# KiCad board Wireless Video Glass.kicad_pcb
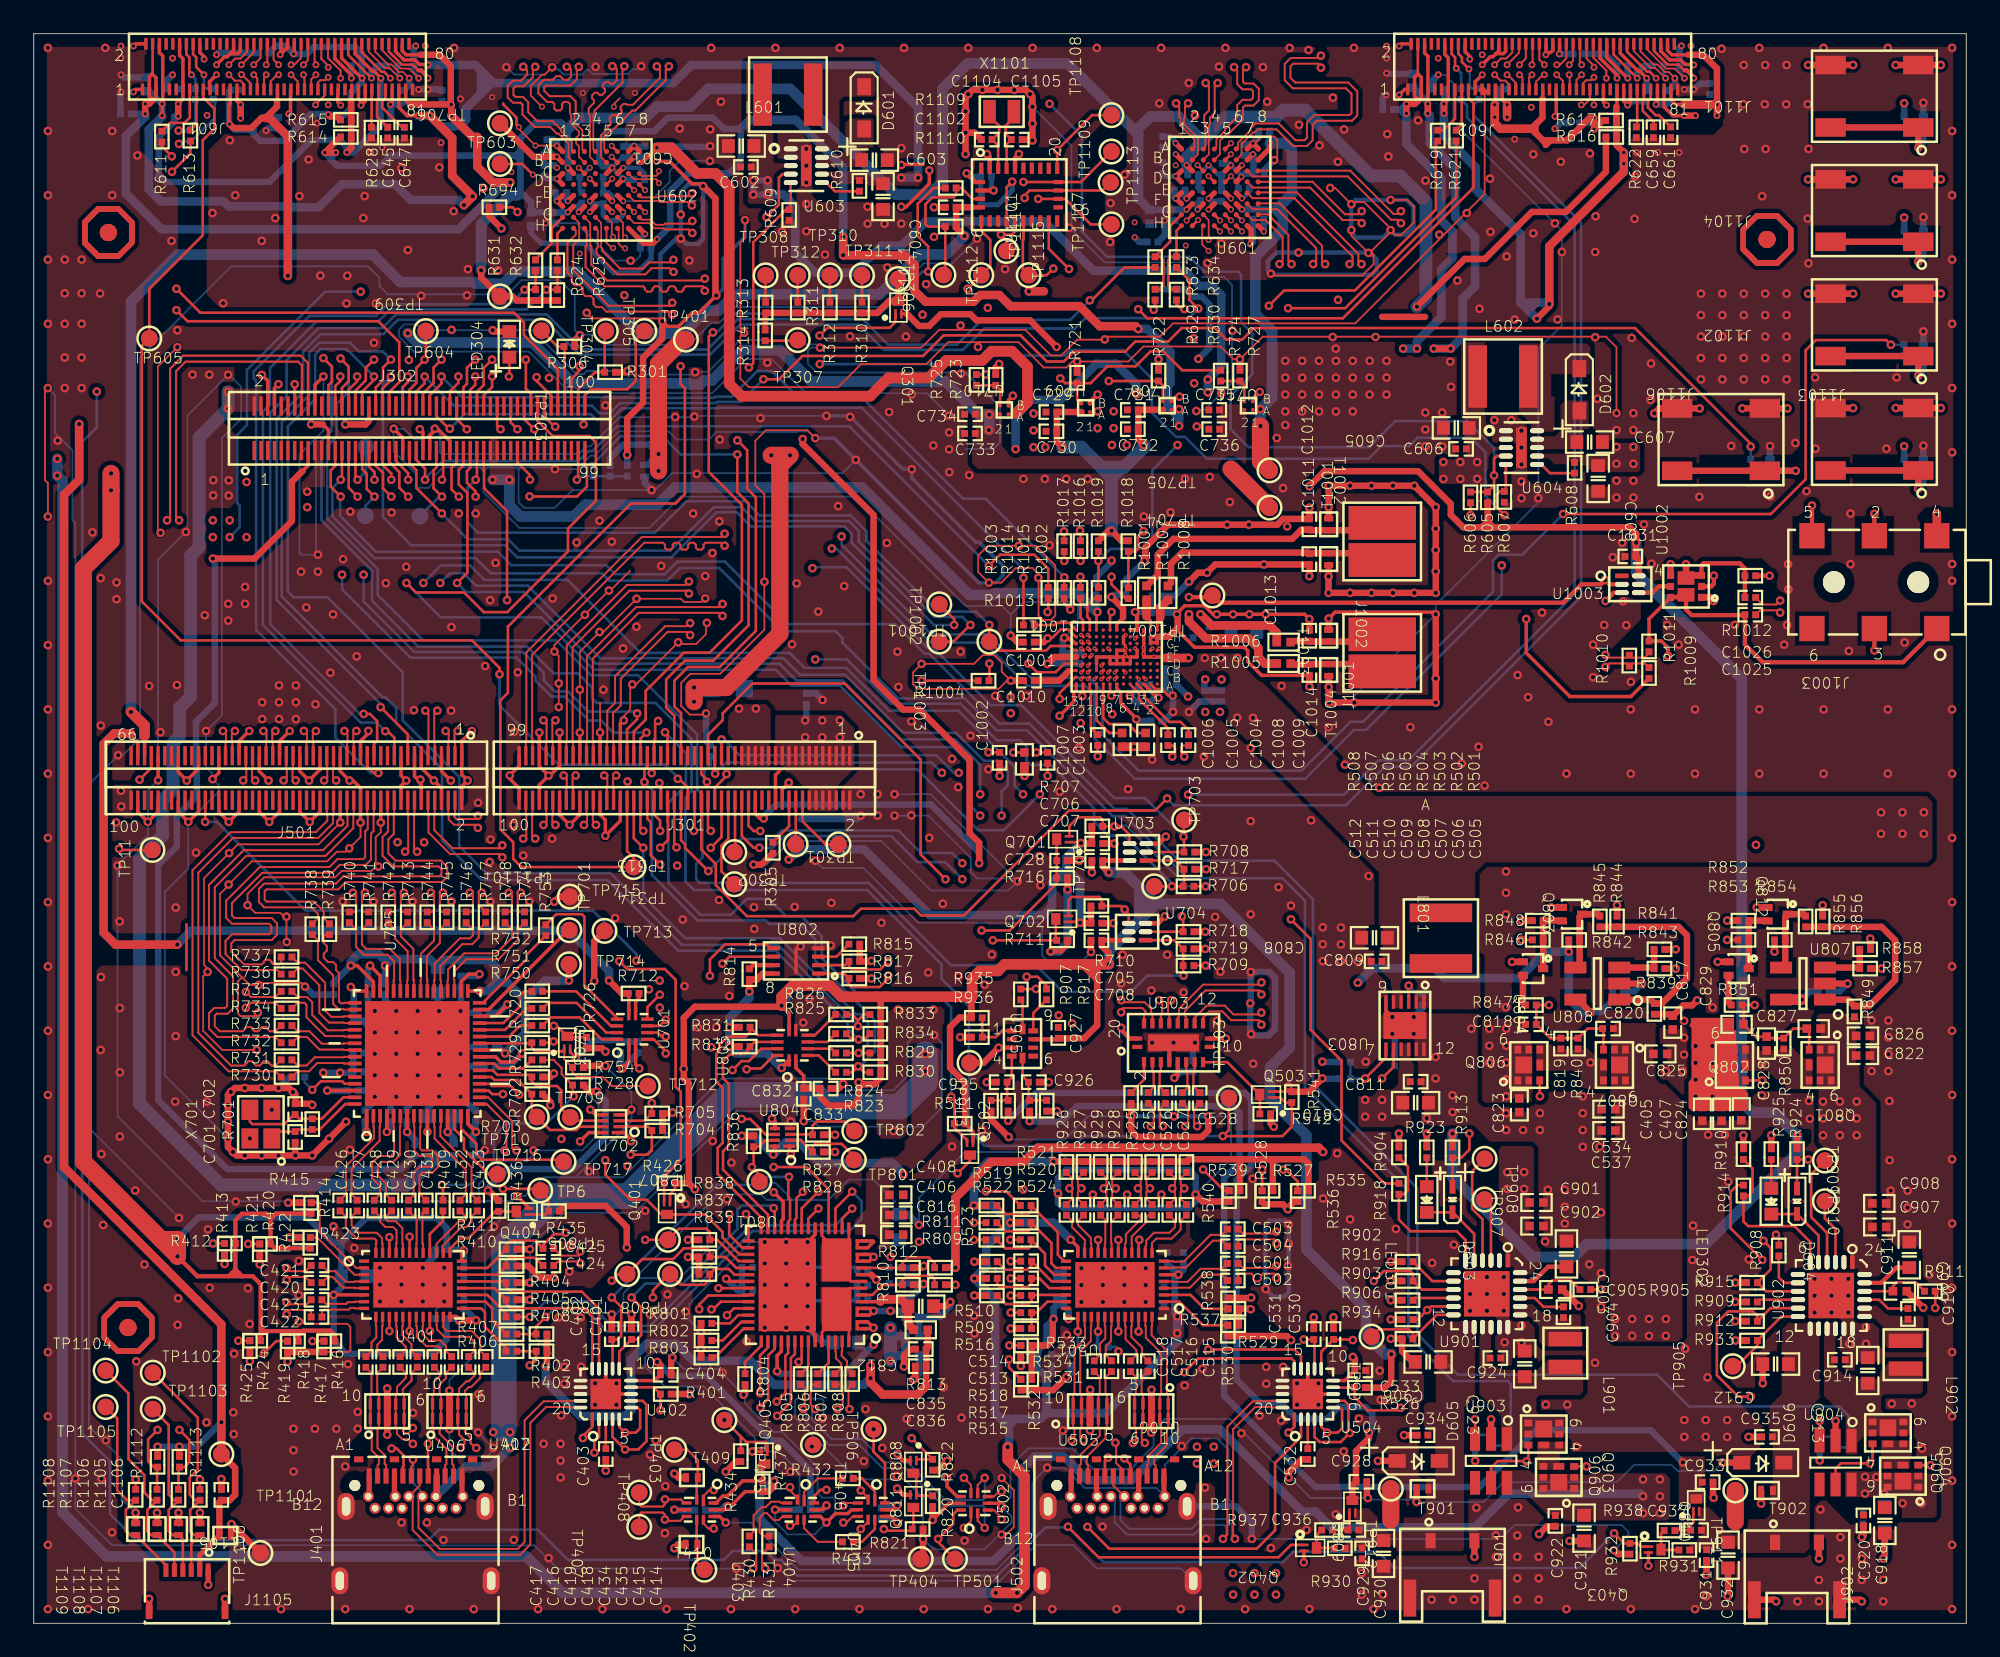
[diagram p0: board, top side]
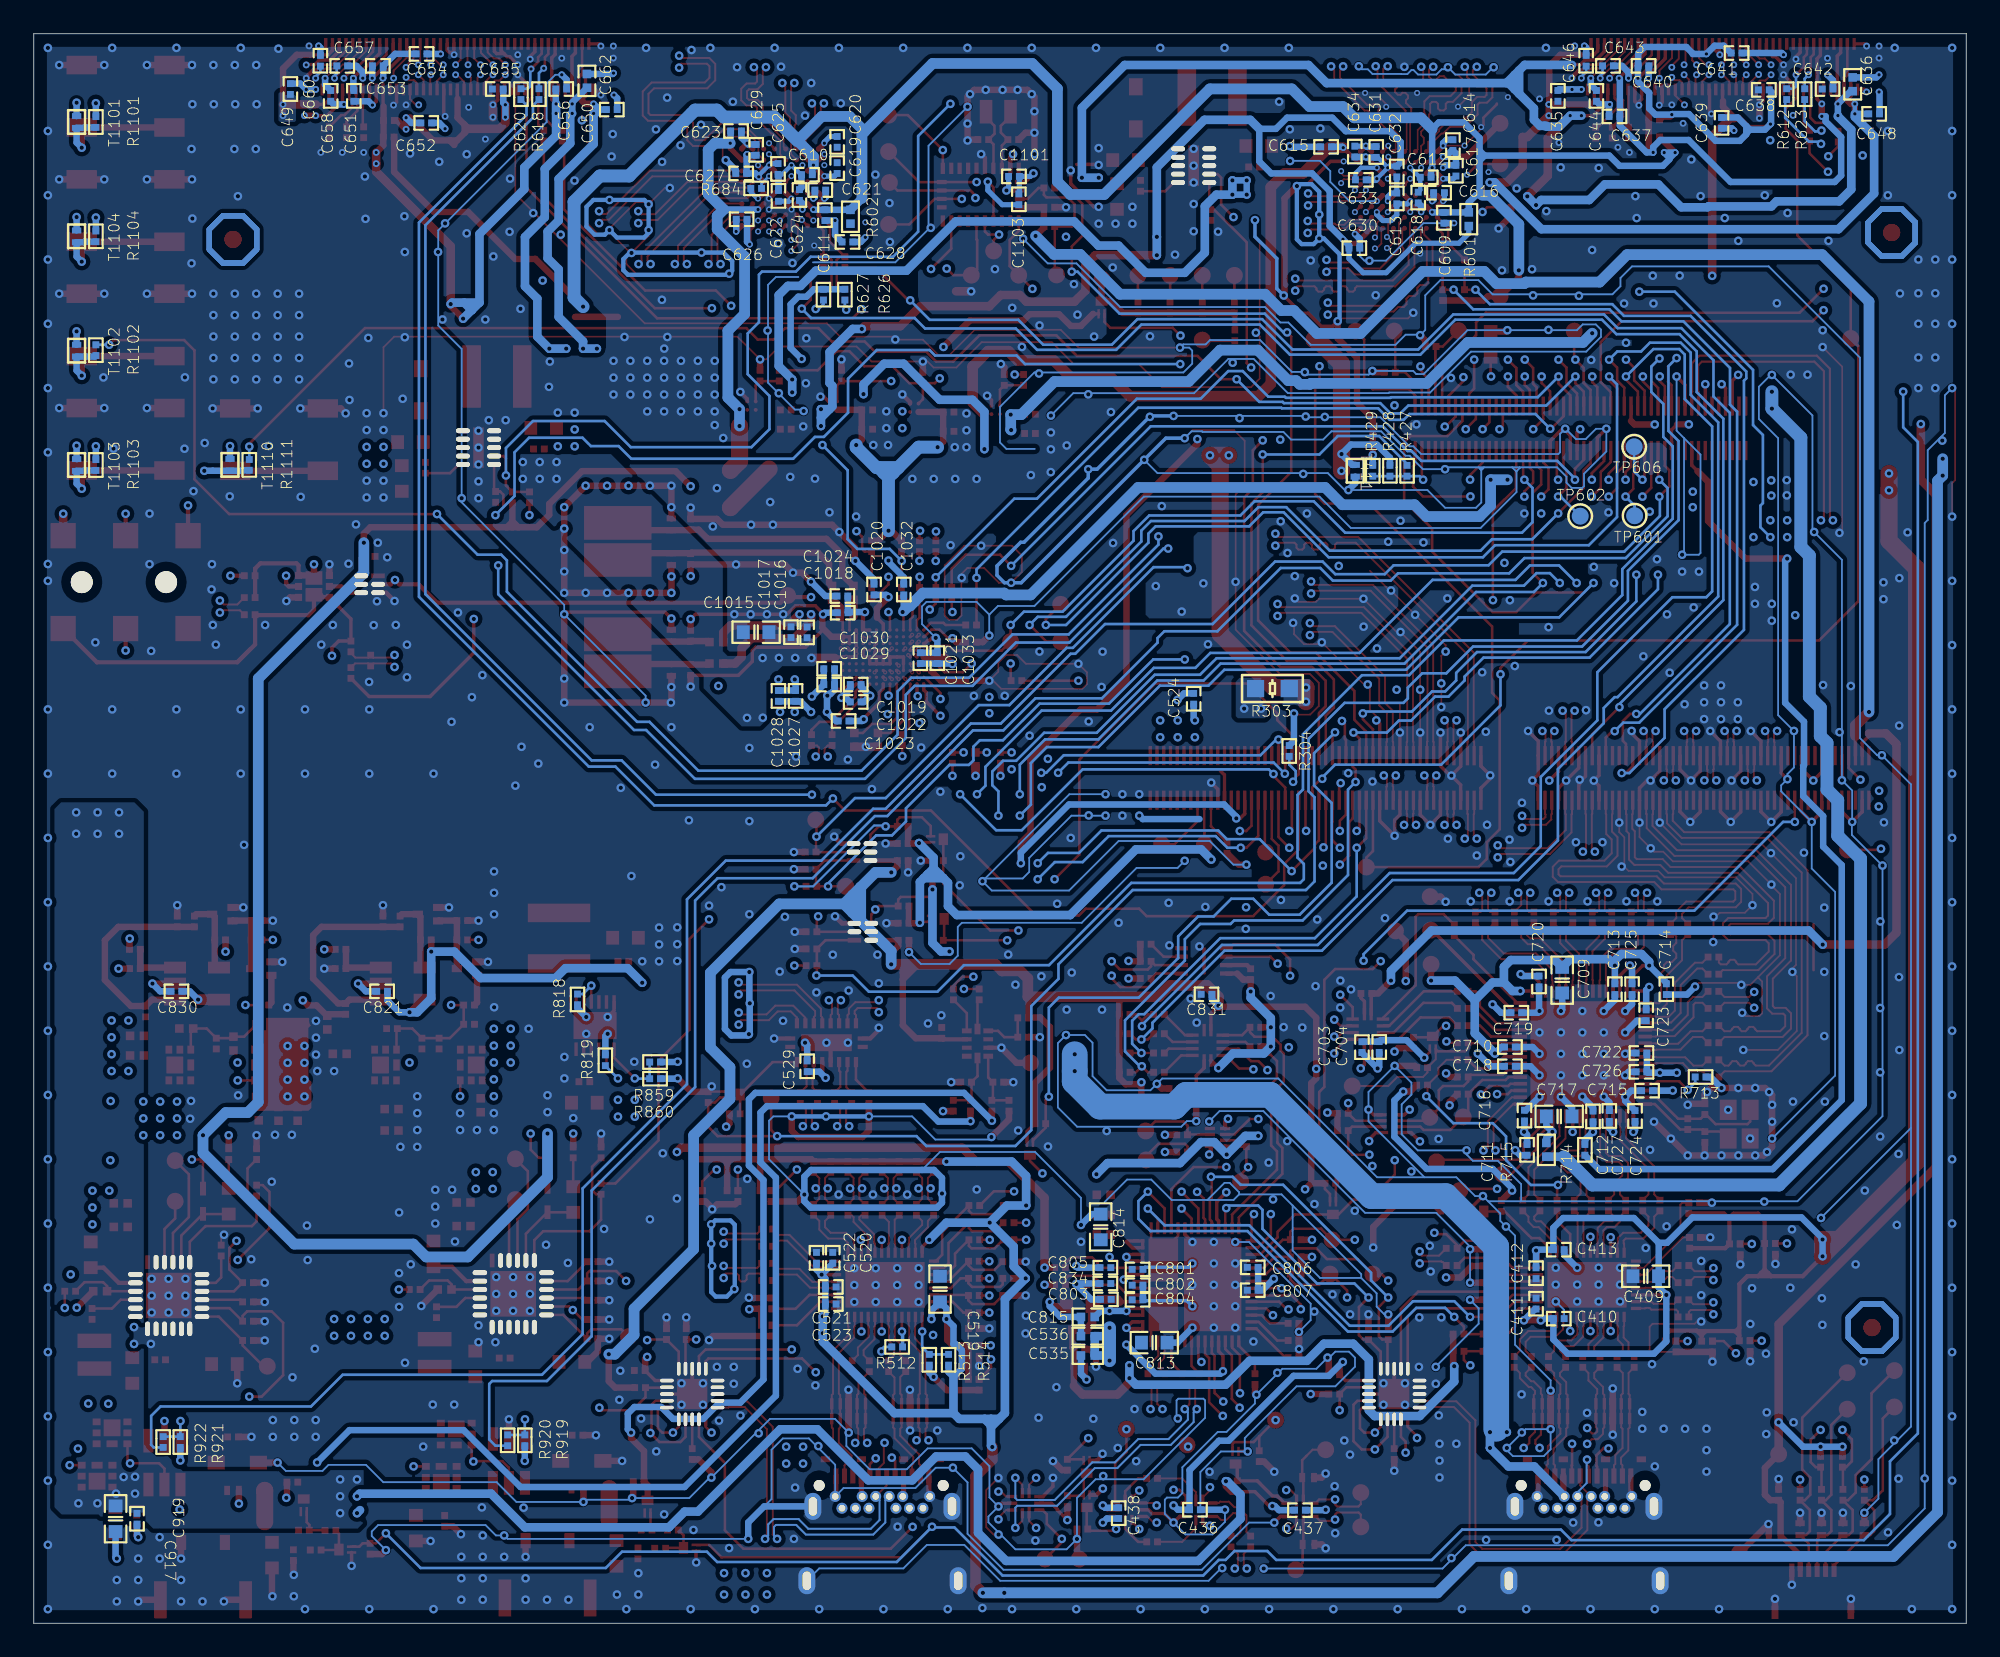
[diagram p1: board, bottom side, seen from below]

Outline 114.55 x 94.23 mm; copper layers: TOP, GND02, ART03, GND04, ART05, ART06, GND07, BOTTOM. Coordinates in mm from the lower left corner of the outline.
Outline path: 0,94.23 114.55,94.23 114.55,0 0,0 0,94.23

## Placement (name value [footprint] x y rotation side)
C401  -  [C0201]  35.43 17.15 90 top
C402  -  [C0201]  34.26 17.15 90 top
C403  -  [C0201]  33.91 10.03 270 top
C404  -  [C0201]  37.46 14.73 0 top
C405  -  [C0402]  98.91 30.2 270 top
C406  -  [C0402]  51.13 24.21 0 top
C407  -  [C0402]  100.05 30.2 270 top
C408  -  [C0402]  51.13 25.4 0 top
C409  -  [C0603]  19 20.57 0 bottom
C410  C0201  [C0201#2]  24.16 18.06 0 bottom
C411  -  [C0201]  25.5 18.95 90 bottom
C412  -  [C0201]  25.5 20.75 270 bottom
C413  C0201  [C0201#2]  24.16 22.15 0 bottom
C414  -  [C0201]  26.8 15.49 90 top
C415  -  [C0201]  25.78 15.49 90 top
C416  -  [C0201]  20.7 15.49 90 top
C417  -  [C0201]  19.68 15.49 90 top
C418  -  [C0201]  22.73 15.49 90 top
C419  -  [C0201]  21.72 15.49 90 top
C420  -  [C0201]  16.76 20.19 180 top
C421  -  [C0201]  16.76 21.21 180 top
C422  -  [C0201]  16.76 18.16 180 top
C423  -  [C0201]  16.76 19.18 180 top
C424  -  [C0201]  30.51 21.21 0 top
C425  -  [C0201]  30.51 22.22 0 top
C426  -  [C0201]  18.16 24.77 90 top
C427  -  [C0201]  19.18 24.77 90 top
C428  -  [C0201]  20.19 24.77 90 top
C429  -  [C0201]  21.21 24.77 90 top
C430  -  [C0201]  22.22 24.77 90 top
C431  -  [C0201]  23.24 24.77 90 top
C432  -  [C0201]  25.27 24.77 90 top
C433  -  [C0201]  26.29 24.77 90 top
C434  -  [C0201]  23.75 15.49 90 top
C435  -  [C0201]  24.76 15.49 90 top
C436  C0201  [C0201#2]  45.72 6.73 0 bottom
C437  C0201  [C0201#2]  39.5 6.71 0 bottom
C438  -  [C0201]  50.24 6.53 270 bottom
C501  -  [C0201]  71.08 21.34 180 top
C502  -  [C0201]  71.08 20.32 180 top
C503  -  [C0201]  71.08 23.37 180 top
C504  -  [C0201]  71.08 22.35 180 top
C505  -  [C0201]  68.33 24.51 270 top
C506  -  [C0201]  67.31 24.51 270 top
C507  -  [C0201]  66.29 24.51 270 top
C508  -  [C0201]  65.28 24.51 270 top
C509  -  [C0201]  64.26 24.51 270 top
C510  -  [C0201]  63.25 24.51 270 top
C511  -  [C0201]  62.23 24.51 270 top
C512  -  [C0201]  61.21 24.51 270 top
C513  -  [C0201]  58.83 20.45 0 top
C514  -  [C0201]  58.83 21.46 0 top
C515  -  [C0201]  66.04 15.24 270 top
C516  -  [C0201]  65.02 15.24 270 top
C517  -  [C0201]  63.88 15.24 270 top
C518  -  [C0201]  62.86 15.24 270 top
C519  -  [C0603]  60.83 19.81 90 bottom
C520  -  [C0201]  67.19 21.67 90 bottom
C521  C0201  [C0201#2]  67.31 19.94 0 bottom
C522  -  [C0201]  68.16 21.67 90 bottom
C523  C0201  [C0201#2]  67.31 18.92 0 bottom
C524  -  [C0201]  45.8 54.81 90 bottom
C525  -  [C0201]  66.07 31.14 90 top
C526  -  [C0201]  67.08 31.14 90 top
C527  -  [C0201]  68.1 31.14 90 top
C528  -  [C0201]  69.11 31.14 90 top
C529  -  [C0201]  68.71 33.02 90 bottom
C530  -  [C0201]  77.05 17.15 90 top
C531  -  [C0201]  75.88 17.15 90 top
C532  -  [C0201]  75.52 10.03 270 top
C533  -  [C0201]  78.63 14.99 0 top
C534  -  [C0402]  93.34 30.48 180 top
C535  -  [C0402]  52.07 15.88 0 bottom
C536  -  [C0402]  52.07 17.02 0 bottom
C537  -  [C0402]  93.34 29.21 180 top
C601  -  [C0603]  41.94 87.58 180 top
C602  -  [C0201]  42.21 86.33 180 top
C603  -  [C0603]  49.83 86.74 0 top
C604  -  [C0603]  50.34 84.58 270 top
C605  -  [C0603]  84.33 70.87 180 top
C606  -  [C0201]  84.61 69.62 180 top
C607  -  [C0603]  92.23 70.03 0 top
C608  -  [C0603]  92.74 67.87 270 top
C609  -  [C0201]  30.96 83.32 270 bottom
C610  -  [C0201]  68.72 85.88 0 bottom
C611  -  [C0201]  67.65 83.48 270 bottom
C612  -  [C0201]  32.04 85.72 0 bottom
C613  -  [C0201]  33.76 84.47 90 bottom
C614  -  [C0201]  30.43 87.63 90 bottom
C615  -  [C0201]  37.95 87.53 0 bottom
C616  C0201  [C0201#2]  31.25 84.81 0 bottom
C617  -  [C0201]  30.25 86.12 270 bottom
C618  -  [C0201]  32.49 84.52 90 bottom
C619  -  [C0201]  66.93 86.27 270 bottom
C620  -  [C0201]  66.93 87.82 90 bottom
C621  C0201  [C0201#2]  67.93 84.96 0 bottom
C622  -  [C0201]  70.41 84.62 90 bottom
C623  C0201  [C0201#2]  72.92 88.47 0 bottom
C624  -  [C0201]  69.17 84.67 90 bottom
C625  -  [C0201]  70.43 86.22 270 bottom
C626  -  [C0201]  72.59 83.24 0 bottom
C627  -  [C0201]  72.62 85.95 0 bottom
C628  -  [C0201]  66.32 81.89 0 bottom
C629  -  [C0201]  71.73 87.35 90 bottom
C630  C0201  [C0201#2]  36.27 81.52 0 bottom
C631  -  [C0201]  34.98 87.22 90 bottom
C632  -  [C0201]  33.76 86.07 270 bottom
C633  -  [C0201]  35.89 85.57 0 bottom
C634  -  [C0201]  36.25 87.25 90 bottom
C635  -  [C0201]  24.21 90.55 270 bottom
C636  -  [C0402]  6.73 91.24 270 bottom
C637  C0201  [C0201#2]  20.85 89.33 0 bottom
C638  C0201  [C0201#2]  12 90.91 0 bottom
C639  -  [C0201]  14.5 88.95 270 bottom
C640  -  [C0201]  19.13 92.33 0 bottom
C641  C0201  [C0201#2]  13.61 93.09 0 bottom
C642  -  [C0201]  8.22 90.96 0 bottom
C643  -  [C0201]  21.24 92.33 0 bottom
C644  -  [C0201]  21.92 90.55 90 bottom
C645  -  [C0201]  20.98 88.37 90 top
C646  -  [C0201]  22.53 92.63 270 bottom
C647  -  [C0201]  21.97 88.37 90 top
C648  -  [C0201]  5.46 89.48 0 bottom
C649  -  [C0201]  99.34 90.96 270 bottom
C650  -  [C0402]  81.76 91.44 270 bottom
C651  -  [C0201]  95.58 90.55 90 bottom
C652  -  [C0201]  91.29 88.95 0 bottom
C653  C0201  [C0201#2]  94.16 92.33 0 bottom
C654  C0201  [C0201#2]  91.57 93.04 0 bottom
C655  -  [C0201]  87.05 90.96 0 bottom
C656  -  [C0201]  83.29 90.96 0 bottom
C657  -  [C0201]  96.27 92.33 0 bottom
C658  -  [C0201]  96.95 90.55 90 bottom
C659  -  [C0201]  96.01 88.39 90 top
C660  -  [C0201]  97.56 92.63 270 bottom
C661  -  [C0201]  97.03 88.39 90 top
C662  -  [C0201]  80.29 89.74 0 bottom
C701  -  [C0201]  15.49 28.83 270 top
C702  -  [C0201]  15.49 30.48 90 top
C703  -  [C0201]  35.82 34.16 90 bottom
C704  -  [C0201]  34.8 34.16 90 bottom
C705  -  [C0201]  62.99 41.5 0 top
C706  -  [C0201]  63.04 46.23 0 top
C707  -  [C0201]  63.04 45.21 180 top
C708  -  [C0201]  62.99 40.49 180 top
C709  -  [C0603]  23.95 38.13 270 bottom
C710  C0201  [C0201#2]  27.05 34.16 0 bottom
C711  -  [C0201]  26.03 28.07 270 bottom
C712  -  [C0201]  22.12 30.05 90 bottom
C713  -  [C0201]  20.83 37.59 270 bottom
C714  -  [C0201]  17.78 37.59 270 bottom
C715  -  [C0201]  18.92 31.57 0 bottom
C716  -  [C0201]  26.19 30.1 90 bottom
C717  C0603  [C0603#2]  24.13 30.05 0 bottom
C718  C0201  [C0201#2]  27.05 33.02 0 bottom
C719  C0201  [C0201#2]  26.67 36.19 0 bottom
C720  -  [C0201]  25.32 38.05 270 bottom
C722  -  [C0201]  19.25 33.81 0 bottom
C723  -  [C0201]  18.97 36.04 270 bottom
C724  -  [C0201]  19.63 30.07 90 bottom
C725  -  [C0201]  19.81 37.59 270 bottom
C726  -  [C0201]  19.25 32.69 0 bottom
C727  -  [C0201]  21.16 30.07 90 bottom
C728  -  [C0201]  60.96 45.21 0 top
C729  -  [C0201]  60.33 71.81 180 top
C730  -  [C0201]  60.33 70.66 180 top
C731  -  [C0201]  65.15 71.93 180 top
C732  -  [C0201]  65.15 70.79 180 top
C733  -  [C0201]  55.5 70.54 180 top
C734  -  [C0201]  55.5 71.68 180 top
C735  -  [C0201]  69.98 71.93 180 top
C736  -  [C0201]  69.98 70.79 180 top
C801  C0201  [C0201#2]  49.12 20.98 0 bottom
C802  C0201  [C0201#2]  49.12 20.04 0 bottom
C803  -  [C0201]  51 19.2 0 bottom
C804  C0201  [C0201#2]  49.12 19.18 0 bottom
C805  -  [C0201]  51.03 21.08 0 bottom
C806  -  [C0201]  42.3 21.1 0 bottom
C807  -  [C0201]  42.3 19.74 0 bottom
C808  -  [C0603]  79.48 40.64 180 top
C809  -  [C0201]  79.6 39.24 180 top
C810  -  [C0603]  81.92 30.86 180 top
C811  -  [C0201]  81.92 32.11 0 top
C812  -  [C0603]  52.58 18.8 180 top
C813  -  [C0603]  48.13 16.64 0 bottom
C814  -  [C0603]  51.31 23.5 270 bottom
C815  -  [C0402]  52.07 18.16 0 bottom
C816  -  [C0402]  51.13 23.04 0 top
C817  -  [C0402]  97.15 35.61 90 top
C818  -  [C0201]  88.75 35.51 0 top
C819  -  [C0201]  90.53 34.37 90 top
C820  -  [C0201]  93.32 35.26 180 top
C821  -  [C0201]  93.9 37.46 0 bottom
C822  -  [C0402]  108.43 33.66 0 top
C823  -  [C0402]  88.06 30.71 270 top
C824  -  [C0402]  101.22 30.23 270 top
C825  -  [C0402]  96.42 33.76 0 top
C826  -  [C0402]  108.43 34.82 180 top
C827  -  [C0402]  105.51 35.26 180 top
C828  -  [C0402]  102.72 34.37 90 top
C829  -  [C0402]  100.94 35.51 0 top
C830  -  [C0201]  106.1 37.46 0 bottom
C831  -  [C0201]  45.03 37.29 0 bottom
C832  -  [C0201]  45.64 31.39 270 top
C833  -  [C0201]  46.94 31.7 0 top
C834  -  [C0201]  51.03 20.14 0 bottom
C835  -  [C0201]  52.58 16.26 180 top
C836  -  [C0201]  52.58 15.24 180 top
C901  -  [C0402]  89.08 24.94 0 top
C902  -  [C0402]  89.08 23.55 0 top
C903  -  [C0603]  90.86 21.89 270 top
C904  -  [C0201]  90.68 18.44 270 top
C905  -  [C0402]  90.2 19.79 180 top
C906  -  [C0603]  82.65 15.49 180 top
C907  -  [C0402]  109.4 23.5 0 top
C908  -  [C0402]  109.4 24.89 0 top
C909  -  [C0603]  111.18 21.84 270 top
C910  -  [C0201]  111.1 18.34 270 top
C911  -  [C0402]  110.62 19.69 180 top
C912  -  [C0603]  103.25 15.37 180 top
C913  -  [C0603]  108.71 14.99 270 top
C914  -  [C0201]  107.06 15.62 0 top
C917  -  [C0603]  109.7 6.2 90 bottom
C918  -  [C0603]  109.73 6.1 90 top
C919  -  [C0201]  108.43 6.2 270 bottom
C920  -  [C0201]  108.46 6.1 270 top
C921  -  [C0603]  91.9 5.64 90 top
C922  -  [C0201]  90.2 6.07 270 top
C923  -  [C0603]  88.38 15.38 270 top
C924  -  [C0201]  86.64 15.72 0 top
C925  -  [C0201]  57.38 32.08 180 top
C926  -  [C0201]  59.28 32.08 0 top
C927  -  [C0201]  60.73 35 90 top
C928  -  [C0201]  78.7 8.39 0 top
C929  -  [C0201]  78.74 4.14 270 top
C930  -  [C0603]  80.01 4.14 90 top
C931  -  [C0201]  99.16 4.04 270 top
C932  -  [C0603]  100.43 4.04 90 top
C933  -  [C0201]  99.22 8.37 0 top
C934  -  [C0201]  82.32 11.15 180 top
C935  -  [C0201]  102.74 11.05 180 top
C936  -  [C0201]  78.22 5.53 180 top
C937  -  [C0201]  98.54 5.52 180 top
C1001  -  [C0201]  58.99 58.17 180 top
C1002  -  [C0201]  57.25 51.31 270 top
C1003  -  [C0201]  60.1 51.31 270 top
C1004  -  [C0402]  65.91 52.37 270 top
C1005  -  [C0402]  64.52 52.37 270 top
C1006  -  [C0201]  63.07 52.36 90 top
C1007  -  [C0402]  58.72 51.22 270 top
C1008  -  [C0201]  67.23 52.36 270 top
C1009  -  [C0201]  68.45 52.36 270 top
C1010  -  [C0201]  58.99 55.88 180 top
C1011  -  [C0201]  75.62 63.09 270 top
C1012  -  [C0201]  75.62 65.15 90 top
C1013  -  [C0201]  75.62 58.55 90 top
C1014  -  [C0201]  75.62 56.52 270 top
C1015  -  [C0603]  71.73 58.76 0 bottom
C1016  -  [C0201]  68.71 58.75 90 bottom
C1017  -  [C0201]  69.67 58.76 90 bottom
C1018  -  [C0201]  66.6 59.91 0 bottom
C1019  C0201  [C0201#2]  65.83 55.65 0 bottom
C1020  -  [C0201]  64.74 61.29 90 bottom
C1021  -  [C0201]  62 57.22 90 bottom
C1022  C0201  [C0201#2]  65.83 54.62 0 bottom
C1023  -  [C0201]  66.55 53.49 0 bottom
C1024  -  [C0201]  66.62 60.9 0 bottom
C1025  -  [C0201]  101.75 59.79 180 top
C1026  -  [C0201]  101.75 60.81 180 top
C1027  -  [C0201]  69.39 54.98 270 bottom
C1028  -  [C0201]  70.41 54.98 270 bottom
C1029  C0201  [C0201#2]  67.4 55.65 0 bottom
C1030  C0201  [C0201#2]  67.4 56.59 0 bottom
C1031  -  [C0201]  94.64 63.25 180 top
C1032  -  [C0201]  62.98 61.29 90 bottom
C1033  -  [C0201]  60.99 57.22 90 bottom
C1101  C0201  [C0201#2]  56.45 85.78 0 bottom
C1102  -  [C0201]  54.36 83.95 180 top
C1103  -  [C0201]  56.16 84.42 90 bottom
C1104  -  [C0201]  56.49 87.96 180 top
C1105  -  [C0201]  58.27 87.96 0 top
C1106  -  [C0201]  11.12 7.61 270 top
D601  -  [SOD323]  49.23 89.84 90 top
D602  -  [SOD323]  91.62 73.13 90 top
D603  -  [SOD523]  84.1 25.12 270 top
D604  -  [SOD523]  104.52 25.02 270 top
D605  -  [SOD323]  82.07 9.63 180 top
D606  -  [SOD323]  102.49 9.53 180 top
J301  -  [DF40C-100DS]  38.57 50.11 180 top
J302  -  [DF40C-100DS]  22.87 70.84 0 top
J401  -  [TYPE-C-31-M-04]  22.67 4.97 0 top
J501  -  [DF40C-100DS]  15.57 50.11 180 top
J502  -  [TYPE-C-31-M-04]  64.28 4.97 0 top
J601  -  [FF0881SA1-R3000]  14.45 92.28 180 top
J602  -  [FF0881SA1-R3000]  89.45 92.28 180 top
J901  -  [BM02B-ADHSS_2P]  84.1 2.9 90 top
J902  -  [BM02B-ADHSS_2P]  104.52 2.79 90 top
J1001  -  [PAD_2P_4020]  79.93 57.53 90 top
J1002  -  [PAD_2P_4020]  79.93 64.13 270 top
J1003  -  [PJ-237-A]  110.01 61.72 180 top
J1101  -  [K2-1187UQ]  109.11 90.53 180 top
J1102  -  [K2-1187UQ]  109.11 76.97 180 top
J1103  -  [K2-1187UQ]  109.11 70.19 180 top
J1104  -  [K2-1187UQ]  109.11 83.75 180 top
J1105  -  [FH34SRJ-6S-0R5SH]  9.09 1.9 0 top
J1106  -  [K2-1187UQ]  100.02 70.17 180 top
L601  -  [L4020]  44.7 90.63 0 top
L602  -  [L4020]  87.1 73.91 0 top
L801  -  [L4020]  83.41 40.61 270 top
L901  -  [L2520]  90.79 16.02 270 top
L902  -  [L2520]  110.96 15.92 270 top
LED301  -  [LED_0603]  82.58 25.12 270 top
LED302  -  [LED_0603]  103 25.02 270 top
LED304  -  [LED_0603]  28.19 75.82 90 top
MARK1R0  -  [MARK1R0]  4.42 82.45 0 top
MARK1R0#2  -  [MARK1R0#2]  102.74 82.04 0 top
MARK1R0#3  -  [MARK1R0#3]  5.59 17.53 0 top
MARK1R0#4  -  [MARK1R0#4]  4.42 82.45 0 bottom
MARK1R0#5  -  [MARK1R0#5]  5.59 17.53 0 bottom
MARK1R0#6  -  [MARK1R0#6]  102.74 82.04 0 bottom
Q301  -  [DFN1006-3L]  51.26 78 270 top
Q401  -  [DFN1006-3L]  37.54 24.61 90 top
Q402  -  [DFN1006-3L]  75.67 4.47 180 top
Q403  -  [DFN1006-3L]  96.09 4.37 180 top
Q404  -  [DFN1006-3L]  28.98 24.41 0 top
Q405  -  [DFN1006-3L]  43.31 9.82 90 top
Q502  -  [DFN1006-3L]  55.5 28.13 90 top
Q503  -  [DFN1006-3L]  73.05 31.34 0 top
Q701  -  [DFN1006-3L]  61.01 46.48 0 top
Q702  -  [DFN1006-3L]  60.96 41.76 0 top
Q703  -  [DFN1006-3L]  31.62 34.42 270 top
Q801  -  [FDMA908PZ]  105.89 33.1 180 top
Q802  -  [FDMA908PZ]  100.81 33.1 0 top
Q803  -  [SOT_723]  91.19 42.04 270 top
Q804  -  [SOT_723]  88.87 38.81 270 top
Q805  -  [SOT_723]  101.07 38.81 270 top
Q806  -  [FDMA908PZ]  88.62 33.1 0 top
Q807  -  [FDMA908PZ]  93.7 33.1 180 top
Q808  -  [DFN1006-3L]  52.14 9.27 90 top
Q809  -  [DFN1006-3L]  78.17 6.91 270 top
Q810  -  [DFN1006-3L]  98.55 7 270 top
Q811  -  [DFN1006-3L]  52.14 7.24 90 top
Q812  -  [SOT_723]  103.38 42.04 270 top
Q903  -  [FDMA908PZ]  89.51 11.22 270 top
Q904  -  [FDMA908PZ]  109.91 11.29 270 top
Q905  -  [FDMA908PZ]  110.8 8.72 90 top
Q906  -  [FDMA908PZ]  90.4 8.65 90 top
R301  -  [R0201]  34.16 74.17 0 top
R303  -  [R0805]  41.13 55.41 0 bottom
R304  -  [R0201]  40.13 51.71 270 bottom
R305  -  [R0201]  43.81 45.97 270 top
R306  -  [R0201]  31.75 75.69 0 top
R310  -  [R0201]  49.1 78 270 top
R311  -  [R0201]  45.29 78 270 top
R312  -  [R0201]  47.19 78 270 top
R313  -  [R0201]  43.38 78 270 top
R314  -  [R0201]  43.36 76.35 90 top
R401  -  [R0201]  37.46 13.59 180 top
R402  -  [R0201]  30.1 17.15 180 top
R403  -  [R0201]  30.1 16.13 180 top
R404  -  [R0201]  28.32 20.19 180 top
R405  -  [R0201]  28.32 19.18 180 top
R406  -  [R0201]  28.32 16.13 0 top
R407  -  [R0201]  28.32 17.15 0 top
R408  -  [R0201]  28.32 18.16 0 top
R409  -  [R0201]  24.26 24.77 90 top
R410  -  [R0201]  28.32 21.18 0 top
R411  -  [R0201]  28.32 22.17 0 top
R412  -  [R0201]  11.63 22.52 180 top
R413  -  [R0201]  11.31 22.2 270 top
R414  -  [R0201]  16.45 24.61 90 top
R415  -  [R0201]  16.13 24.93 180 top
R416  -  [R0201]  17.53 16.73 180 top
R417  -  [R0201]  17.21 16.41 270 top
R418  -  [R0201]  15.37 16.73 180 top
R419  -  [R0201]  15.05 16.41 270 top
R420  -  [R0201]  13.72 22.49 180 top
R421  -  [R0201]  13.4 22.17 270 top
R422  -  [R0201]  16.4 22.56 90 top
R423  -  [R0201]  16.08 22.88 180 top
R424  -  [R0201]  13.13 16.75 180 top
R425  -  [R0201]  12.81 16.43 270 top
R426  -  [R0201]  37.69 26.09 180 top
R427  -  [R0201]  33.15 68.33 270 bottom
R428  -  [R0201]  34.16 68.33 90 bottom
R429  -  [R0201]  35.18 68.33 270 bottom
R430  -  [R0201]  42.42 4.85 270 top
R431  -  [R0201]  43.59 4.85 270 top
R432  -  [R0201]  48.26 8.59 180 top
R433  -  [R0201]  48.26 4.83 180 top
R434  -  [R0201]  41.91 9.91 270 top
R435  -  [R0201]  30.84 24.43 0 top
R436  -  [R0201]  27.56 24.74 270 top
R437  -  [R0201]  43.21 8.12 90 top
R501  -  [R0201]  68.33 27.05 270 top
R502  -  [R0201]  67.31 27.05 270 top
R503  -  [R0201]  66.29 27.05 270 top
R504  -  [R0201]  65.28 27.05 270 top
R505  -  [R0201]  64.26 27.05 270 top
R506  -  [R0201]  63.25 27.05 270 top
R507  -  [R0201]  62.23 27.05 270 top
R508  -  [R0201]  61.21 27.05 270 top
R509  -  [R0201]  56.79 20.45 0 top
R510  -  [R0201]  56.79 21.44 0 top
R511  -  [R0201]  54.89 29.62 180 top
R512  -  [R0201]  63.37 16.38 0 bottom
R513  -  [R0201]  61.47 15.62 270 bottom
R514  -  [R0201]  60.33 15.62 270 bottom
R515  -  [R0201]  58.83 17.48 180 top
R516  -  [R0201]  56.79 19.43 180 top
R517  -  [R0201]  58.83 18.41 180 top
R518  -  [R0201]  58.83 19.43 180 top
R519  -  [R0201]  56.77 24.77 180 top
R520  -  [R0201]  58.8 23.75 180 top
R521  -  [R0201]  58.8 24.77 180 top
R522  -  [R0201]  56.77 23.75 180 top
R523  -  [R0201]  56.77 22.73 180 top
R524  -  [R0201]  58.8 22.73 180 top
R525  -  [R0201]  65.05 31.14 90 top
R526  -  [R0201]  78.61 13.97 180 top
R527  -  [R0201]  73.13 25.64 180 top
R528  -  [R0201]  72.81 25.32 270 top